# Altium PCB LimeSDR_1v2s.PcbDoc (part 6 of 9)
Units mm, origin at the board's own origin, x right, y up, seen from the top; angles counter-clockwise.
Board outline 100 x 60 mm, 12 copper layers (Top, L2, L3, L4, L5, L6, L7, L8, L9, L10, L11, Bottom), stack 1.58 mm thick; 795 components, 584 nets, 3854 pads, 2079 vias.
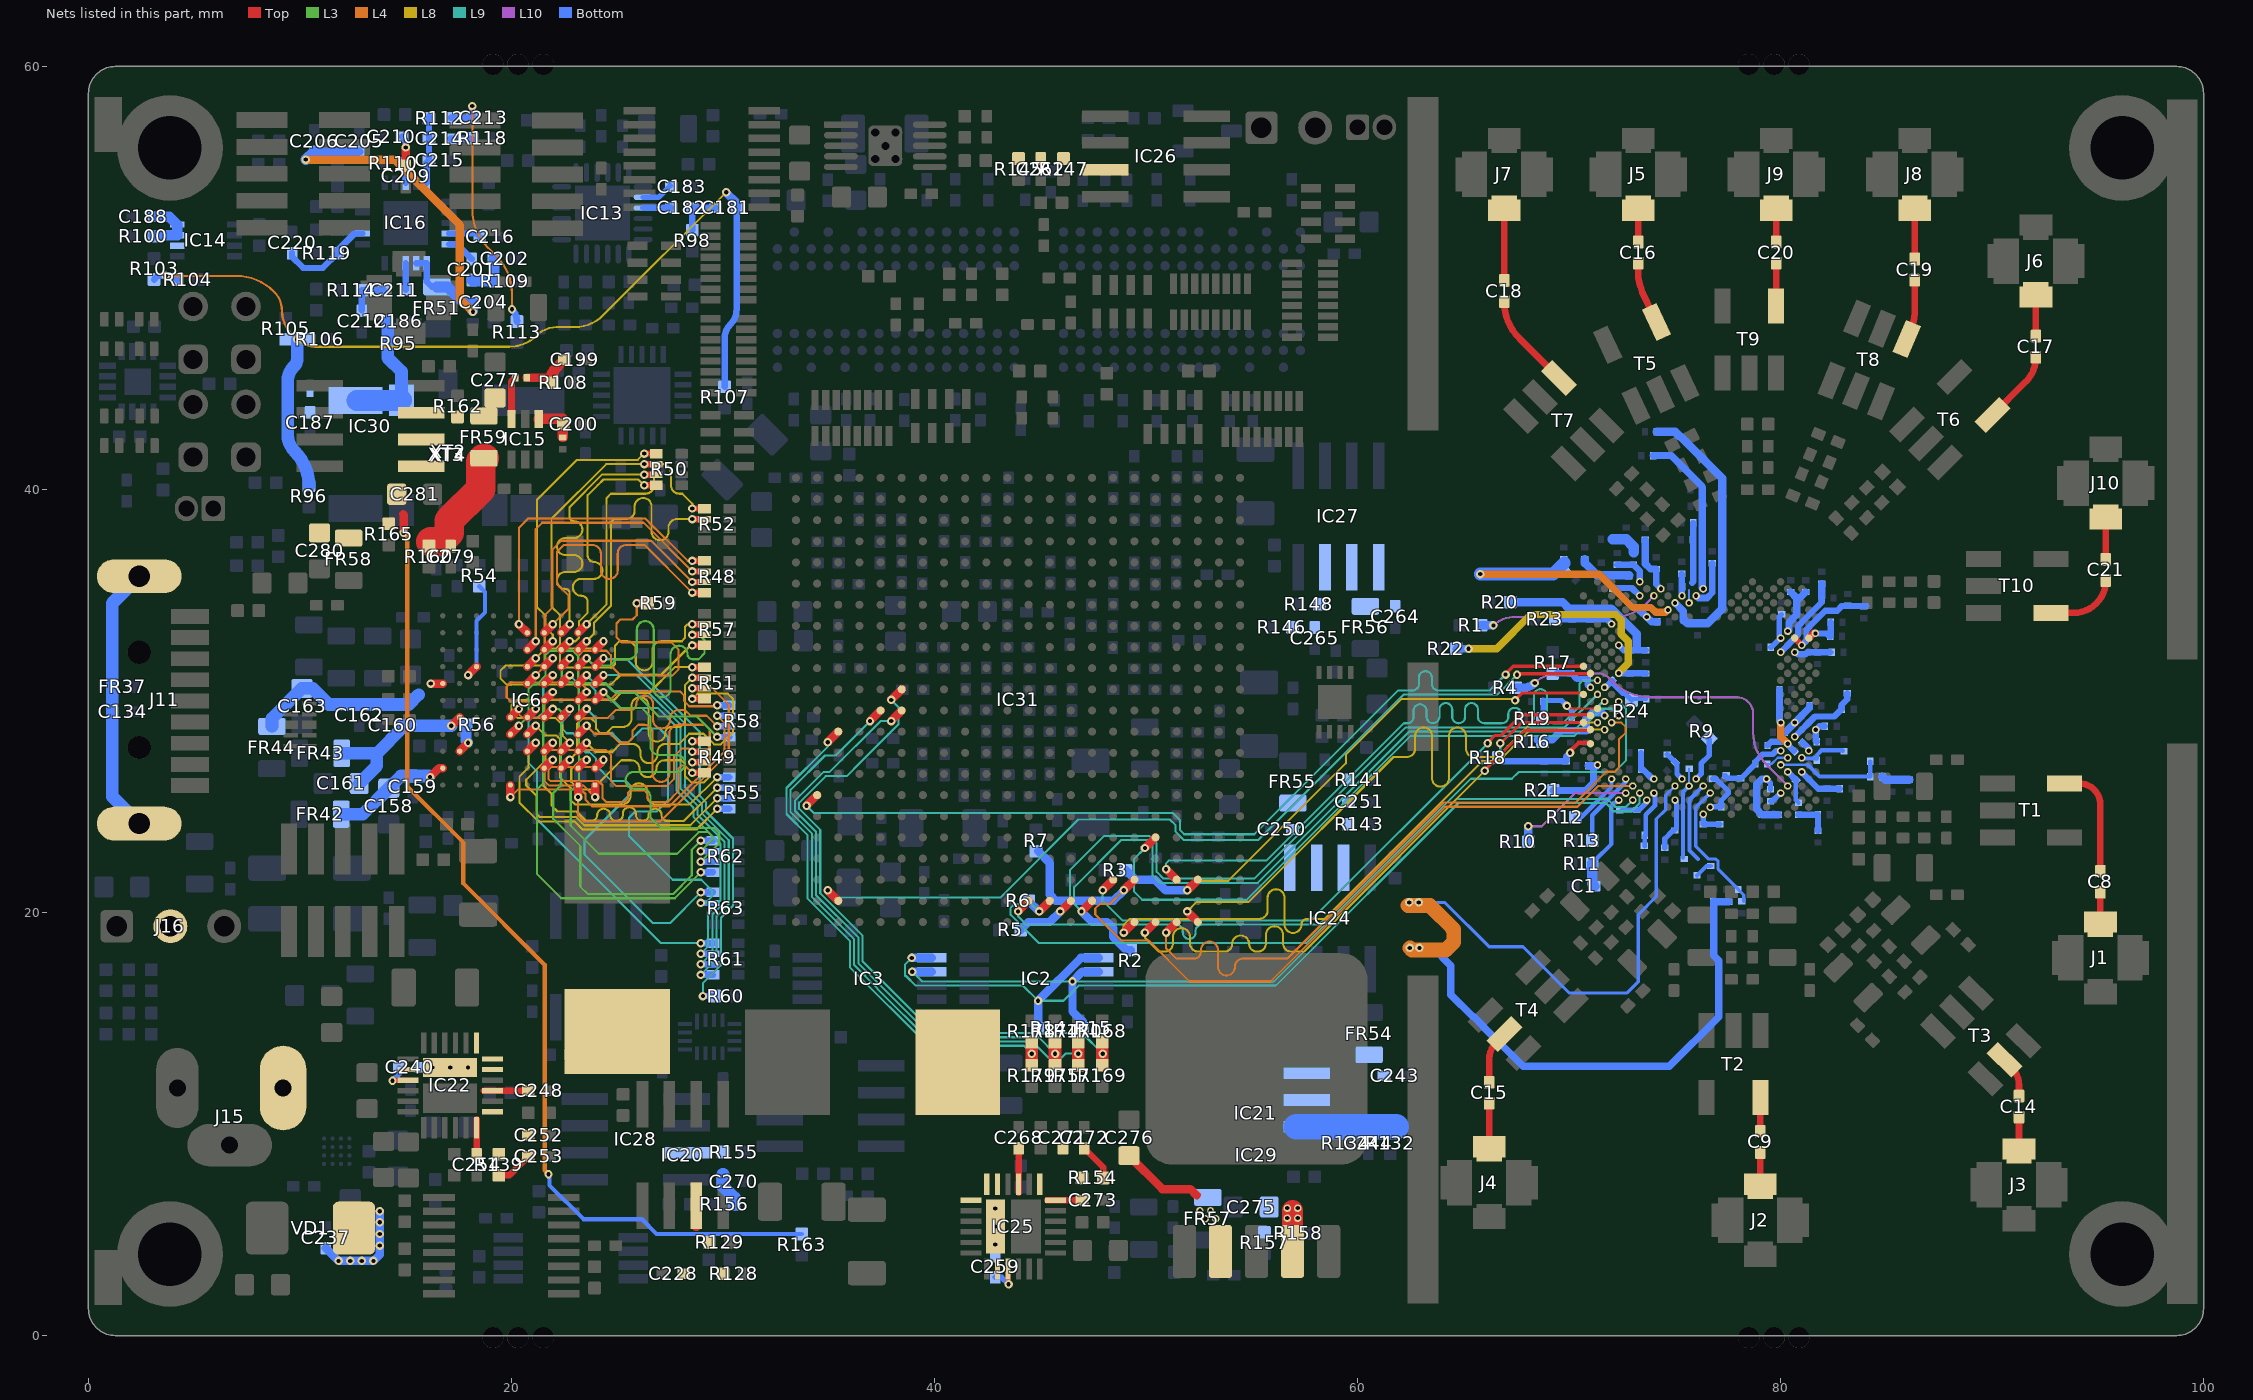
[diagram p16: the nets of this part, all layers, seen from the top]

## Via types
v1: diameter 0.4, hole 0.2, Top to Bottom, tented both sides, 1231 vias
v2: diameter 0.4, hole 0.2, Top to Bottom, tented top, 420 vias
v3: diameter 0.4, hole 0.2, Top to Bottom, 281 vias
v4: diameter 0.35, hole 0.2, Top to Bottom, tented top, 86 vias
v5: diameter 0.35, hole 0.2, Top to Bottom, tented both sides, 41 vias
v6: diameter 0.5, hole 0.2, Top to Bottom, tented both sides, 20 vias

## Nets (pads, with @x,y where several pads share a name; then routed paths per layer and width w, separated by ;. In a path a pad name is that pad's centre, name@x,y a point inside that pad or via, vN(x,y) a via of type N, cw(c..) or ccw(c..) an arc to the next point about the centre after c; other vN are vias at no path point) (continued)
LMS_DIQ2_D8: IC1.N31 IC31.A6 | length 30.8
  Top w0.4: v2(48.95,19.05) IC31.A6@49.45,19.55
  L8 w0.1: v2(48.95,19.05) 48.95,19.425 49.225,19.7 55.35,19.7 ccw(c55.35,20.1) 55.75,20.1 55.75,20.7 cw(c56.15,20.7) 56.15,21.1 cw(c56.15,20.7) 56.55,20.7 56.55,19.7 56.55,19.434 ccw(c56.95,19.434) 56.95,19.034 ccw(c56.95,19.434) 57.35,19.434 cw(c57.616,19.434) 57.616,19.7 57.625,19.7 58.45,19.7 65.9,27.15 66.678,27.15 67.3,27.772 67.3,27.775 68.169,28.644 v4(71.681,28.644)
LMS_DIQ2_D9: IC1.N33 IC31.A5 | length 30.7
  Top w0.15: v1@66.045,26.75 67.897,28.602 71.015,28.602 IC1.N33@71.015,28.644
  Top w0.4: v2(49.95,19.05) IC31.A5@50.45,19.55
  L8 w0.1: v2(49.95,19.05) 49.95,18.8 50.6,18.15 50.875,18.15 ccw(c50.875,18.55) 51.275,18.55 51.275,18.858 cw(c51.675,18.858) 51.675,19.258 cw(c51.675,18.858) 52.075,18.858 52.075,18.55 ccw(c52.475,18.55) 52.475,18.15 52.875,18.15 53.55,18.15 53.675,18.15 53.711,18.15 ccw(c53.711,18.514) 54.075,18.514 cw(c54.475,18.514) 54.475,18.914 cw(c54.475,18.514) 54.875,18.514 ccw(c55.239,18.514) 55.239,18.15 55.275,18.15 ccw(c55.275,18.55) 55.675,18.55 55.675,18.95 cw(c56.075,18.95) 56.075,19.35 cw(c56.075,18.95) 56.475,18.95 56.475,18.55 ccw(c56.875,18.55) 56.875,18.15 57.275,18.15 57.47,18.15 57.753,18.433 57.997,18.678 v1(66.02,26.7)
LMS_DIQ2_D10: IC1.P30 IC31.A4 | length 31.8
  Top w0.4: v2(50.95,19.05) IC31.A4@51.45,19.55
  L4 w0.1: v2(50.95,19.05) 50.95,18.3 51.425,17.825 52.275,17.825 ccw(c52.275,18.15) 52.6,18.15 52.6,18.225 cw(c53,18.225) 53,18.625 cw(c53,18.225) 53.4,18.225 53.4,17.825 53.4,17.425 ccw(c53.8,17.425) 53.8,17.025 ccw(c53.8,17.425) 54.2,17.425 cw(c54.6,17.425) 54.6,17.825 56.692,17.825 64.067,25.2 70.311,25.2 71.765,26.654 72.159,26.654 72.355,26.85 72.355,28.18 72.676,28.501 72.676,28.778 72.477,28.977 v4(72.014,28.977)
LMS_DIQ2_D11: IC1.P32 IC31.A3 | length 30.8
  Top w0.4: v2(51.95,20.05) IC31.A3@52.45,19.55
  L8 w0.1: v2(51.95,20.05) 52.4,20.5 54.85,20.5 61.7,27.35 62.325,27.35 ccw(c62.325,27.75) 62.725,27.75 62.725,28.35 cw(c63.125,28.35) 63.125,28.75 cw(c63.125,28.35) 63.525,28.35 63.525,27.35 63.525,26.35 ccw(c63.925,26.35) 63.925,25.95 ccw(c63.925,26.35) 64.325,26.35 64.325,27.35 64.325,28.35 cw(c64.725,28.35) 64.725,28.75 cw(c64.725,28.35) 65.125,28.35 65.125,27.75 ccw(c65.525,27.75) 65.525,27.35 65.925,27.35 66.595,27.35 67.1,27.855 67.1,27.858 68.219,28.977 v4(71.348,28.977)
LMS_ENABLE_IQSEL1: IC1.Y32 IC31.C4 | length 33.3
  Top w0.4: v2(50.95,22.05) IC31.C4@51.45,21.55
  L9 w0.1: v2(50.95,22.05) 50.95,22.325 51.075,22.45 55.692,22.45 62.192,28.95 62.35,28.95 ccw(c62.35,29.254) 62.654,29.254 62.654,29.545 cw(c62.958,29.545) 62.958,29.849 cw(c62.958,29.545) 63.262,29.545 63.262,29.254 ccw(c63.566,29.254) 63.566,28.95 ccw(c63.566,29.254) 63.87,29.254 63.87,29.596 cw(c64.174,29.596) 64.174,29.9 cw(c64.174,29.596) 64.478,29.596 64.478,29.254 ccw(c64.782,29.254) 64.782,28.95 ccw(c64.782,29.254) 65.086,29.254 65.086,29.596 cw(c65.39,29.596) 65.39,29.9 cw(c65.39,29.596) 65.694,29.596 65.694,29.254 ccw(c65.998,29.254) 65.998,28.95 66.302,28.95 66.6,28.95 66.825,28.95 ccw(c66.825,29.254) 67.129,29.254 67.129,29.371 cw(c67.433,29.371) 67.433,29.675 cw(c67.433,29.371) 67.737,29.371 67.737,29.254 ccw(c68.041,29.254) 68.041,28.95 ccw(c68.041,29.254) 68.345,29.254 68.345,30.256 cw(c68.649,30.256) 68.649,30.56 cw(c68.649,30.256) 68.953,30.256 68.953,29.254 ccw(c69.257,29.254) 69.257,28.95 69.561,28.95 69.706,28.95 70.5,29.744 70.5,30.825 70.65,30.975 v4(71.348,30.975)
LMS_ENABLE_IQSEL2: IC1.R33 IC31.C7 | length 28.7
  Top w0.15: v1@66.15,28.025 66.5,28.375 66.796,28.375 67.774,29.352 68.95,29.352 70.973,29.352 IC1.R33@71.015,29.31
  Top w0.4: v2(47.95,21.05) IC31.C7@48.45,21.55
  L9 w0.1: v2(47.95,21.05) 47.95,20.555 48.88,19.625 57.783,19.625 66.15,27.992 v1(66.15,28)
LMS_FCLK1: IC1.AA33 IC31.B20 | length 42.3
  Top w0.15: v1@67.566,31.291 71.015,31.291 IC1.AA33@71.015,31.308
  Top w0.4: v2(34.95,21.05) IC31.B20@35.45,20.55
  L9 w0.1: v2(34.95,21.05) 35.3,20.7 43.105,20.7 46.805,24.4 49.25,24.4 51.125,24.4 51.4,24.125 51.4,23.822 51.793,23.429 55.304,23.429 62.175,30.3 66.6,30.3 v1(67.541,31.241)
LMS_FCLK2: IC1.R29 IC31.E5 | length 29.9
  Top w0.4: v2(49.95,23.05) IC31.E5@50.45,23.55
  L9 w0.1: v2(49.95,23.05) 49.425,22.525 49.425,21 49.825,20.6 54.767,20.6 62.517,28.35 70.261,28.35 71.546,29.635 72.022,29.635 v4(72.347,29.31)
LMS_I2C_SCL: IC1.C27 IC2.6 IC3.6 R15.2 | length 42.9
  L9 w0.1: v1(38.95,17.2) 39.407,16.743 v1(46.525,16.743) 56.059,16.743 64.691,25.375 71.814,25.375 72.2,24.989 72.688,24.989 v4(73.013,25.314)
  Bottom w0.4: v1(38.95,17.2) IC3.6@39.875,17.2 ; R15.2@47,14.525 47,14.85 46.525,15.325 v1(46.525,16.743) 46.982,17.2 IC2.6@47.775,17.2
LMS_I2C_SDA: IC1.D26 IC2.5 IC3.5 R14.2 | length 46.8
  L9 w0.1: v1(38.925,17.85) 38.6,17.525 38.6,17 38.655,17 39.112,16.543 44.182,16.543 v1(44.9,15.825) 46.102,15.825 46.82,16.543 56.143,16.543 64.775,25.175 71.731,25.175 72.117,24.789 72.948,24.789 73.338,25.18 73.338,25.639 v4(73.346,25.647)
  Bottom w0.4: v1(38.925,17.85) IC3.5@39.875,17.85 ; R14.2@44.9,14.525 v1(44.9,15.825) 46.925,17.85 IC2.5@47.775,17.85
LMS_MCLK1: IC1.AB34 IC31.G21 | length 42.9
  Top w0.15: v1@66.975,31.25 66.987,31.263 67.366,31.641 IC1.AB34@70.682,31.641
  Top w0.4: v2(33.95,25.05) IC31.G21@34.45,25.55
  L9 w0.1: v2(33.95,25.05) 34.3,24.7 51.275,24.7 51.6,24.375 51.6,23.905 51.805,23.7 55.125,23.7 61.925,30.5 62.297,30.5 62.601,30.5 ccw(c62.601,30.804) 62.905,30.804 62.905,31.107 cw(c63.209,31.107) 63.209,31.411 cw(c63.209,31.107) 63.513,31.107 63.513,30.804 ccw(c63.817,30.804) 63.817,30.5 64.121,30.5 64.425,30.5 66.25,30.5 v1(67,31.25)
LMS_MCLK2: IC1.P34 IC31.B11 | length 33
  Top w0.15: v1@66.75,27.975 66.763,27.988 67.752,28.977 IC1.P34@70.682,28.977
  Top w0.4: v2(43.95,20.05) IC31.B11@44.45,20.55
  L9 w0.1: v2(43.95,20.05) 43.95,19.825 44.35,19.425 50.825,19.425 51.129,19.425 51.433,19.425 cw(c51.433,19.121) 51.737,19.121 51.737,19.054 ccw(c52.041,19.054) 52.041,18.75 ccw(c52.041,19.054) 52.345,19.054 52.345,19.121 cw(c52.649,19.121) 52.649,19.425 52.953,19.425 53.561,19.425 53.65,19.425 58.175,19.425 65.8,27.05 66.425,27.05 66.75,27.375 v1(66.75,28)
LMS_RESET: IC1.E27 IC31.C6 R7.1 | length 39.4
  Top w0.4: v2(48.95,21.05) IC31.C6@49.45,21.55
  L4 w0.1: v2(48.95,21.05) 48.3,20.4 47.805,20.4 47.6,20.195 47.6,19.905 48.83,18.675 50.125,18.675 52.05,16.75 55.9,16.75 64.15,25 70.4,25 71.38,25.98 v4(73.013,25.98)
  Bottom w0.39: 47.743,20.55 48.45,20.55 v2(48.95,21.05)
  Bottom w0.4: R7.1@44.9,22.9 45.45,22.35 45.45,20.843 45.743,20.55 47.743,20.55
LMS_RXEN: IC1.V34 IC31.C3 R3.2 | length 26.9
  Top w0.15: v1@67.45,30.05 67.774,30.374 70.682,30.374 IC1.V34@70.682,30.309
  Top w0.4: v2(51.95,21.05) IC31.C3@52.45,21.55
  L8 w0.1: v2(51.95,21.05) 52.021,21.05 52.471,21.5 53.895,21.5 59.45,27.055 59.45,27.45 62.1,30.1 67.4,30.1 v1@67.45,30.05
  Bottom w0.4: R3.2@49.05,22 49.5,21.55 50.425,21.55 50.925,21.05 v2(51.95,21.05)
  other v1: 67.45,30.025
LMS_TXEN: IC1.U29 IC31.B10 R6.2 | length 39.5
  Top w0.4: v2(44.95,20.05) IC31.B10@45.45,20.55
  L9 w0.1: v2(44.95,20.05) 44.6,20.4 43.775,20.4 43.6,20.225 43.6,19.892 44.942,18.55 57.583,18.55 65.358,26.325 67.3,26.325 67.613,26.638 72.138,26.638 72.7,27.2 72.7,29.623 v4(72.347,29.976)
  Bottom w0.4: R6.2@44.45,20.55 v2(44.95,20.05)
LMS_TXNRX1: IC1.V32 IC31.B9 R5.2 | length 35.9
  Top w0.4: v2(45.95,20.05) IC31.B9@46.45,20.55
  L9 w0.1: v2(45.95,20.05) 46.4,20.5 46.4,21.995 48.03,23.625 50.153,23.625 50.5,23.278 50.5,21.925 50.825,21.6 55.125,21.6 62.275,28.75 69.789,28.75 v4(71.348,30.309)
  Bottom w0.4: R5.2@44.075,19.175 44.45,19.55 45.45,19.55 v2(45.95,20.05)
LMS_TXNRX2: IC1.U31 IC31.B8 R2.2 | length 36.5
  Top w0.4: v2(46.95,20.05) IC31.B8@47.45,20.55
  L9 w0.1: v2(46.95,20.05) 46.6,20.4 46.6,21.195 48.83,23.425 50.07,23.425 50.3,23.195 50.3,21.775 50.675,21.4 55.284,21.4 62.434,28.55 70.178,28.55 71.605,29.976 v4(71.681,29.976)
  Bottom w0.4: v2(46.95,20.05) 47.45,19.55 48.157,19.55 48.45,19.257 48.45,18.843 49.068,18.225 R2.2@49.275,18.225
MSEL0: IC31.M17 R168.1 R169.2 | length 31.2
  Top w0.4: v2(37.95,30.05) IC31.M17@38.45,30.55
  Top w0.6: R169.2@47.925,12.775 R168.1@47.925,13.875
  L9 w0.1: v2(37.95,30.05) 38.3,29.7 38.3,28.905 36.5,27.105 35.845,26.45 34.855,26.45 33.6,25.195 33.6,24.905 34.6,23.905 34.6,20.905 36.6,18.905 36.6,17.68 39.98,14.3 46.975,14.3 v1(47.95,13.325)
MSEL1: IC31.L18 R170.1 R171.2 | length 29.1
  Top w0.4: v2(36.95,29.05) IC31.L18@37.45,29.55
  Top w0.6: R171.2@46.8,12.775 v1(46.8,13.325) R170.1@46.8,13.875
  L9 w0.1: v2(36.95,29.05) 35.325,27.425 34.82,27.425 33.2,25.805 33.2,24.739 34.2,23.739 34.2,20.739 36.2,18.739 36.2,17.514 37.3,16.414 37.3,16.4 39.8,13.9 44.63,13.9 45.555,12.975 45.845,12.975 46.195,13.325 v1(46.8,13.325)
MSEL2: IC31.L17 R174.1 R175.2 | length 27.9
  Top w0.4: v2(37.95,29.05) IC31.L17@38.45,29.55
  Top w0.6: R175.2@45.7,12.775 v1(45.7,13.325) R174.1@45.7,13.875
  L9 w0.1: v2(37.95,29.05) 37.445,29.05 35.045,26.65 34.772,26.65 33.4,25.278 33.4,24.822 34.4,23.822 34.4,20.822 36.4,18.822 36.4,17.597 39.897,14.1 44.925,14.1 v1(45.7,13.325)
MSEL3: IC31.K20 R178.1 R179.2 | length 24.8
  Top w0.4: v2(34.95,28.05) IC31.K20@35.45,28.55
  Top w0.6: R179.2@44.6,12.775 v1(44.6,13.325) R178.1@44.6,13.875
  L9 w0.1: v2(34.95,28.05) 34.95,27.838 33,25.888 33,24.656 34,23.657 34,20.657 36,18.657 36,17.417 39.717,13.7 44.225,13.7 v1(44.6,13.325)
NetC1_1: C1.1 IC1.C29 R11.1 | length 4.6
  Bottom w0.2: R11.1@71.201,22.369 71.201,22.444 72.001,23.244 72.001,25.057 72.143,25.199 72.231,25.199 v4(72.347,25.314)
  Bottom w0.5: R11.1@71.1,22.3 71.1,21.351 C1.1@71.2,21.251
NetC8_1: C8.1 J1.1 | length 1.5
  Top w0.309: J1.1@95.125,19.45 J1.1@95.125,19.55 C8.1@95.125,20.95
NetC8_2: C8.2 T1.4 | length 5.4
  Top w0.309: T1.4@93.435,26.104 94.111,26.104 cw(c94.111,25.09) 95.125,25.09 C8.2@95.125,21.95
NetC9_1: C9.1 J2.1 | length 1.5
  Top w0.309: J2.1@79.04,7.15 C9.1@79.04,8.65
NetC9_2: C9.2 T2.4 | length 1.6
  Top w0.309: C9.2@79.04,9.65 ccw(c79.015,9.675) C9.2@79.051,9.675 ; C9.2@79.051,9.65 T2.4@79.051,11.244
NetC14_1: C14.1 J3.1 | length 1.5
  Top w0.309: J3.1@91.275,8.825 C14.1@91.275,10.325
NetC14_2: C14.2 T3.2 | length 1.9
  Top w0.309: T3.2@90.59,13.039 90.901,12.729 cw(c89.997,11.825) 91.275,11.825 C14.2@91.275,11.325
NetC15_1: C15.1 J4.1 | length 2.2
  Top w0.309: J4.1@66.225,8.825 J4.1@66.225,8.925 C15.1@66.225,10.975
NetC15_2: C15.2 T4.2 | length 2.5
  Top w0.309: C15.2@66.225,11.975 66.225,13.025 cw(c67.447,13.025) T4.2@66.583,13.889 ; T4.2@66.583,13.889 T4.2@66.945,14.251
NetC16_1: C16.1 J5.1 | length 1.6
  Top w0.309: C16.1@73.275,51.7 J5.1@73.275,53.2 J5.1@73.275,53.3
NetC16_2: C16.2 T5.6 | length 3
  Top w0.309: C16.2@73.275,50.7 73.275,50.025 73.375,49.6 73.475,49.3 T5.6@74.131,47.917
NetC17_1: C17.1 J6.1 | length 1.9
  Top w0.309: C17.1@92.076,47.255 J6.1@92.075,49.2
NetC17_2: C17.2 T6.6 | length 3.5
  Top w0.309: T6.6@90.025,43.527 91.597,45.099 ccw(c90.441,46.255) C17.2@92.076,46.255
NetC18_1: C18.1 J7.1 | length 3.4
  Top w0.309: C18.1@66.934,49.884 J7.1@66.934,53.325
NetC18_2: C18.2 T7.3 | length 4.7
  Top w0.309: C18.2@66.934,48.884 ccw(c69.398,48.884) 67.655,47.141 T7.3@69.527,45.269 ; T7.3@69.503,45.294 T7.3@69.527,45.269 ; T7.3@69.552,45.244 T7.3@69.527,45.269
NetC19_1: C19.1 J8.1 | length 2.4
  Top w0.309: C19.1@86.35,50.9 J8.1@86.35,53.3
NetC19_2: C19.2 T8.3 | length 2.9
  Top w0.309: T8.3@85.969,47.113 86.3,47.975 86.35,48.3 C19.2@86.35,49.9
NetC20_1: C20.1 J9.1 | length 1.7
  Top w0.309: C20.1@79.8,51.7 J9.1@79.8,53.4
NetC20_2: C20.2 T9.6 | length 2.4
  Top w0.309: T9.6@79.796,49.059 T9.6@79.796,48.682 79.796,50.696 C20.2@79.8,50.7
NetC21_1: C21.1 J10.1 | length 1.9
  Top w0.309: J10.1@95.375,38.6 95.38,38.6 C21.1@95.38,36.693
NetC21_2: C21.2 T10.6 | length 3.5
  Top w0.309: T10.6@92.784,34.168 93.855,34.168 ccw(c93.855,35.693) C21.2@95.38,35.693
NetC22_1: C22.1 C23.1 IC1.AH30 R23.2 | length 2.6
  Bottom w0.3: R23.2@69.551,33.869 71.785,33.869 v4(72.014,33.639)
NetC24_1: C24.1 C25.1 IC1.T32 R19.2 | length 4.7
  Top w0.11: v1(69.901,29.769) 70.023,29.646 IC1.T32@71.345,29.646
  Bottom w0.11: R19.2@68.751,29.319 C24.1@68.751,29.924
  Bottom w0.25: R19.2@68.751,29.319 68.781,29.349 C24.1@68.781,29.954 ; C24.1@68.781,30.044 C24.1@68.781,29.954 ; C25.1@70.131,29.219 70.131,29.539 69.651,30.019 68.846,30.019 C24.1@68.781,29.954
NetC26_1: C26.1 C27.1 IC1.AE29 R20.1 | length 8.7
  Bottom w0.3: v4(72.347,32.64) 72.589,32.399 C27.1@73.626,32.399
  Bottom w0.4: R20.1@67.225,34.675 69.695,34.675 70.006,34.364 72.006,34.364 73.201,33.169 73.201,32.469
NetC28_1: C28.1 C29.1 IC1.R31 R16.1 | length 4.1
  Bottom w0.35: 71.548,29.444 v4(71.681,29.31)
  Bottom w0.37: R16.1@68.501,28.169 69.201,28.169 69.624,28.591 C29.1@70.801,28.591 70.801,29.144 71.116,29.459 71.533,29.459 71.548,29.444
NetC30_1: C30.1 C31.1 IC1.W31 R24.2 | length 2.6
  Bottom w0.2: R24.2@72.951,30.019 73.026,30.094 C30.1@73.646,30.094
  Bottom w0.25: C31.1@72.049,30.946 72.049,30.84 72.525,30.364 72.631,30.364 72.951,30.044 R24.2@72.951,30.019
  Bottom w0.3: v4(71.681,30.642) 71.746,30.642 C31.1@72.049,30.946
NetC32_1: C32.1 C33.1 IC1.H32 R21.2 | length 3.3
  Bottom w0.35: R21.2@69.251,25.769 70.785,25.769 71.156,26.14 71.156,26.787 71.307,26.939 C32.1@70.9,26.939
  other v4: 71.348,26.979
NetC34_1: C34.1 C35.1 IC1.W33 R17.2 | length 2
  Bottom w0.3: R17.2@69.426,31.319 C34.1@70.096,31.319 70.101,31.314 70.376,31.039 C35.1@70.876,31.039 70.876,30.781 v4(71.015,30.642)
NetC36_1: C36.1 C37.1 IC1.AA29 R22.1 | length 12.7
  L8 w0.35: v1(65.25,32.475) 66.575,32.475 68.189,34.089 72.2,34.089 72.464,33.826 72.464,33.16 72.797,32.827 72.797,31.788 72.347,31.338 v4(72.347,31.308)
  Bottom w0.3: v4(72.347,31.308) 73.616,31.308 C37.1@73.626,31.299
  Bottom w0.35: R22.1@64.675,32.475 v1(65.25,32.475)
NetC38_1: C38.1 C39.1 IC1.L33 R18.1 | length 5
  Top w0.2: v1(70.05,27.55) 70.05,27.625 70.445,28.02 71.015,28.02 IC1.L33@71.015,27.978
  Bottom w0.3: R18.1@66.65,27.325 66.826,27.149 66.862,27.149 66.864,27.15 68.375,27.15 68.376,27.149 69.101,27.149 C39.1@69.876,27.149 69.876,27.376 v1(70.05,27.55)
NetC40_1: C40.1 FR2.2 IC1.C25 | length 1.4
  Bottom w0.25: FR2.2@72.501,24.849 73.301,24.849 73.679,25.227 v4(73.679,25.314)
NetC41_1: C41.1 IC1.D24 R25.1 | length 2.7
  Bottom w0.22: R25.1@73.581,23.129 C41.1@73.581,23.644 ; C41.1@73.631,23.644 73.631,24.624 74.064,25.057 74.064,25.595 v4(74.012,25.647)
NetC42_1: C42.1 FR1.1 IC1.F8 R26.1 | length 3.5
  Bottom w0.25: v4(79.34,26.313) 79.526,26.127 R26.1@79.526,25.824
  Bottom w0.35: v4(79.34,26.313) 79.121,26.313 78.876,26.069 78.876,24.874 C42.1@79.125,24.624 FR1.1@79.901,24.624
NetC43_1: C43.1 FR4.2 IC1.F24 | length 1.6
  Bottom w0.3: FR4.2@73.406,27.544 C43.1@73.406,26.769 73.492,26.769 73.947,26.313 v4(74.012,26.313)
NetC44_1: C44.1 FR7.1 IC1.E21 | length 53.4
  L4 w0.7: v1@62.394,20.325 63.425,20.325 64.55,19.2 64.522,19.172 64.55,19.144 64.55,18.606 64.169,18.225 62.575,18.225 v1(62.475,18.325)
  Bottom w0.15: v1@62.35,20.475 v1(62.45,20.475) v1(62.9,20.475) 64.128,20.475 66.226,18.377 67.822,18.377 70.002,16.198 72.745,16.198 73.27,16.722 73.27,19.902 74.126,20.758 74.126,24.419 74.572,24.865 74.572,25.541 v4(75.011,25.98)
  Bottom w0.35: v1(62.475,18.325) v1(62.925,18.325) 63.575,18.325 64.413,17.487 64.413,16.111 65.443,15.081 65.494,15.081 65.975,14.6 65.975,14.574 67.824,12.725 74.745,12.725 77.081,15.061 77.081,17.727 76.839,17.969 FR7.1@76.839,20.525 76.86,20.504 C44.1@77.544,20.504
NetC45_1: C45.1 FR6.1 IC1.D16 | length 7
  Bottom w0.15: 75.993,24.968 75.993,23.132 76.6,22.525 76.948,22.525 77.05,22.422 77.05,22.052 78,21.101 FR6.1@78,21.089 78.262,20.827 C45.1@78.262,20.525
  Bottom w0.17: 75.989,24.493 75.983,24.499 75.983,24.958 75.993,24.968 v4(76.675,25.65)
NetC46_1: C46.1 FR3.1 IC1.E17 | length 4.7
  Bottom w0.2: C46.1@76.05,21.755 76.495,22.2 FR3.1@76.7,22.2 ; 76.1,22.525 75.693,22.932 75.693,25.33 v4(76.343,25.98)
NetC47_1: C47.1 FR5.2 IC1.AL21 | length 13.4
  Bottom w0.35: v4(75.011,34.638) 75.401,34.248 75.401,33.794
  Bottom w0.4: FR5.2@74.15,42.725 75.021,42.725 75.258,42.487 75.287,42.487 77.251,40.524 77.251,34.368 76.552,33.669 75.606,33.669 75.431,33.844
NetC48_1: C48.1 FR12.1 IC1.G3 | length 2.1
  Bottom w0.3: v4(81.005,26.646) 81.005,26.631 81.787,25.849 FR12.1@82.801,25.849
NetC49_1: C49.1 FR9.2 IC1.M4 | length 3.6
  Bottom w0.3: v4(80.672,28.311) 81.629,29.269 82.546,29.269 C49.1@82.896,29.619 82.896,29.821 83.156,30.081 FR9.2@83.156,30.369
NetC50_1: C50.1 FR10.2 IC1.H6 | length 5.2
  Bottom w0.11: v4(80.006,26.979) 81.296,26.979
  Bottom w0.2: 81.296,26.979 81.85,26.425 FR10.2@84.25,26.425 84.246,26.429 C50.1@84.246,27.144
NetC51_1: C51.1 FR8.1 IC1.B16 | length 2.4
  Bottom w0.25: v4(76.676,24.981) 76.688,24.994 FR8.1@77.196,24.994 77.196,25.289 77.531,25.624 77.531,25.744 76.956,26.319 C51.1@76.794,26.319
NetC52_1: C52.1 FR10.1 R27.1 | length 1.4
  Bottom w0.4: FR10.1@84.81,26.425 84.963,26.272 85.279,26.272 86.087,26.272 C52.1@86.094,26.279
NetC53_1: C53.1 FR11.1 IC1.A17 | length 1.3
  Bottom w0.25: v4(76.343,24.648) 76.343,24.182 C53.1@76.351,24.174 FR11.1@77.126,24.174
NetC54_1: C54.1 FR13.1 IC1.E19 | length 4.4
  Bottom w0.11: v4(75.677,25.98) C54.1@75.677,26.794
  Bottom w0.15: v4(75.677,25.98) v4@75.731,25.926
  Bottom w0.2: FR13.1@75.393,22.607 75.393,25.696 v4(75.677,25.98)
NetC55_1: C55.1 IC1.J3 R30.1 | length 2.2
  Bottom w0.19: v4(81.005,27.312) 81.042,27.275 81.703,27.275 R30.1@81.721,27.294
  Bottom w0.2: R30.1@81.721,27.294 81.721,27.446 81.944,27.669 82.931,27.669 C55.1@82.95,27.65
NetC56_1: C56.1 FR17.1 IC1.C21 | length 2.5
  Bottom w0.24: FR17.1@74.976,23.874 75.073,23.971 75.073,25.252 v4(75.011,25.314)
  Bottom w0.25: C56.1@74.531,23.056 74.531,23.487 74.918,23.874 FR17.1@74.976,23.874
NetC57_1: C57.1 IC1.F20 R29.2 | length 1.4
  Bottom w0.25: R29.2@74.651,27.469 75.106,27.014 75.106,26.551 v4(75.344,26.313)
NetC58_2: C58.2 FR14.2 IC1.K6 R28.2 | length 3.3
  Bottom w0.27: C58.2@77.376,26.464 77.498,26.342 FR14.2@78.126,26.342 78.796,27.012 78.796,27.019 78.796,27.116 79.164,27.484 79.634,27.484 79.795,27.645 v4(80.006,27.645)
NetC59_1: C59.1 FR16.2 FR18.2 IC1.L5 R31.2 | length 4.2
  L4 w0.35: v4(80.006,28.977) 80.006,28.311 v4(80.339,27.978)
  Bottom w0.3: C59.1@79.381,27.894 79.558,28.07 80.247,28.07 v4(80.339,27.978) 80.339,27.931 R31.2@80.624,27.646
  Bottom w0.35: FR16.2@79.95,30.525 79.95,29.033 v4(80.006,28.977)
NetC60_1: C60.1 FR15.1 IC1.AN23 | length 2.7
  Bottom w0.3: C60.1@74.126,36.239 74.126,35.523 v4(74.345,35.304)
  Bottom w0.35: FR15.1@73.601,37.594 73.601,36.49 73.852,36.239 C60.1@74.101,36.239
NetC61_1: C61.1 FR20.2 IC1.G5 | length 1.7
  Bottom w0.2: C61.1@80.753,26.232 80.719,26.232 80.719,25.316 FR20.2@80.849,25.186
  Bottom w0.3: v4(80.339,26.646) C61.1@80.753,26.232
NetC62_1: C62.1 FR21.2 IC1.N1 | length 1.1
  Bottom w0.3: C62.1@81.721,28.069 81.671,28.119 v4(81.671,28.644) 81.833,28.806 FR21.2@82.094,28.806
NetC63_1: C63.1 FR19.1 IC1.AM18 | length 2.3
  Bottom w0.31: v4(76.01,34.971) 76.113,34.869 76.526,34.869 76.776,35.119 FR19.1@76.776,36.514
NetC64_1: C64.1 IC1.AL19 R32.2 | length 3.5
  Bottom w0.11: v4(75.677,34.638) 75.676,35.244
  Bottom w0.3: 75.821,35.589 75.881,35.649 C64.1@75.881,38.419
NetC65_1: C65.1 FR20.1 R33.1 | length 1.6
  Bottom w0.3: FR20.1@80.849,24.626 81.772,24.626 R33.1@81.775,24.629 ; C65.1@81.771,23.869 R33.1@81.771,24.559
NetC66_1: C66.1 FR22.1 IC1.AM20 | length 1
  Bottom w0.3: v4@75.331,34.984 FR22.1@75.331,36.019
  other v4: 75.344,34.971
NetC67_1: C67.1 FR27.2 IC1.AD6 | length 3.8
  Bottom w0.3: v4(80.006,32.307) 80.826,33.127 80.826,33.535 81.201,33.91 81.201,33.918 81.946,34.663
  Bottom w0.35: C67.1@81.946,34.869 FR27.2@81.946,35.55
NetC68_1: C68.1 FR23.2 IC1.AE3 IC1.AF4 | length 4.5
  Top w0.3: IC1.AF4@80.672,32.973 v4(81.005,32.64)
  Bottom w0.3: v4(81.005,32.64) 81.226,32.861 81.226,33.37 81.575,33.719 ; 81.601,33.752 82.117,34.269 82.676,34.269 82.896,34.489 83.176,34.489 FR23.2@84.055,34.489
NetC69_1: C69.1 FR24.1 FR25.1 IC1.AN17 | length 7.9
  Bottom w0.34: FR25.1@73.98,41.6 74.845,41.6 76.293,40.152 FR24.1@76.293,39.982 ; FR24.1@76.301,40.069 76.301,35.346 v4(76.343,35.304)
NetC70_1: C70.1 FR26.1 IC1.AJ25 | length 1
  Bottom w0.35: FR26.1@73.399,34.246 73.672,33.972 v4(73.679,33.972) 73.908,33.744 C70.1@74.183,33.744
NetC71_1: C71.1 FR28.2 IC1.AG5 | length 2.7
  Bottom w0.35: v4@80.351,33.294 80.401,33.344 80.401,33.719 80.451,33.769 80.459,33.769 80.776,34.086 80.776,34.094 80.776,34.739 ; C71.1@80.486,35.154 80.776,34.864 80.776,34.739 ; FR28.2@81.191,35.154 80.776,34.739